# Altium PCB FMC_Breakout.PcbDoc (part 3 of 3)
Units mil, origin at the board's own origin, x right, y up, seen from the top; angles counter-clockwise.
Board outline 2749 x 2731 mil, 4 copper layers (Top Layer, GND, GND (Plane2), Bottom Layer), stack 18.11 mil thick; 9 components, 186 nets, 950 pads, 419 vias.
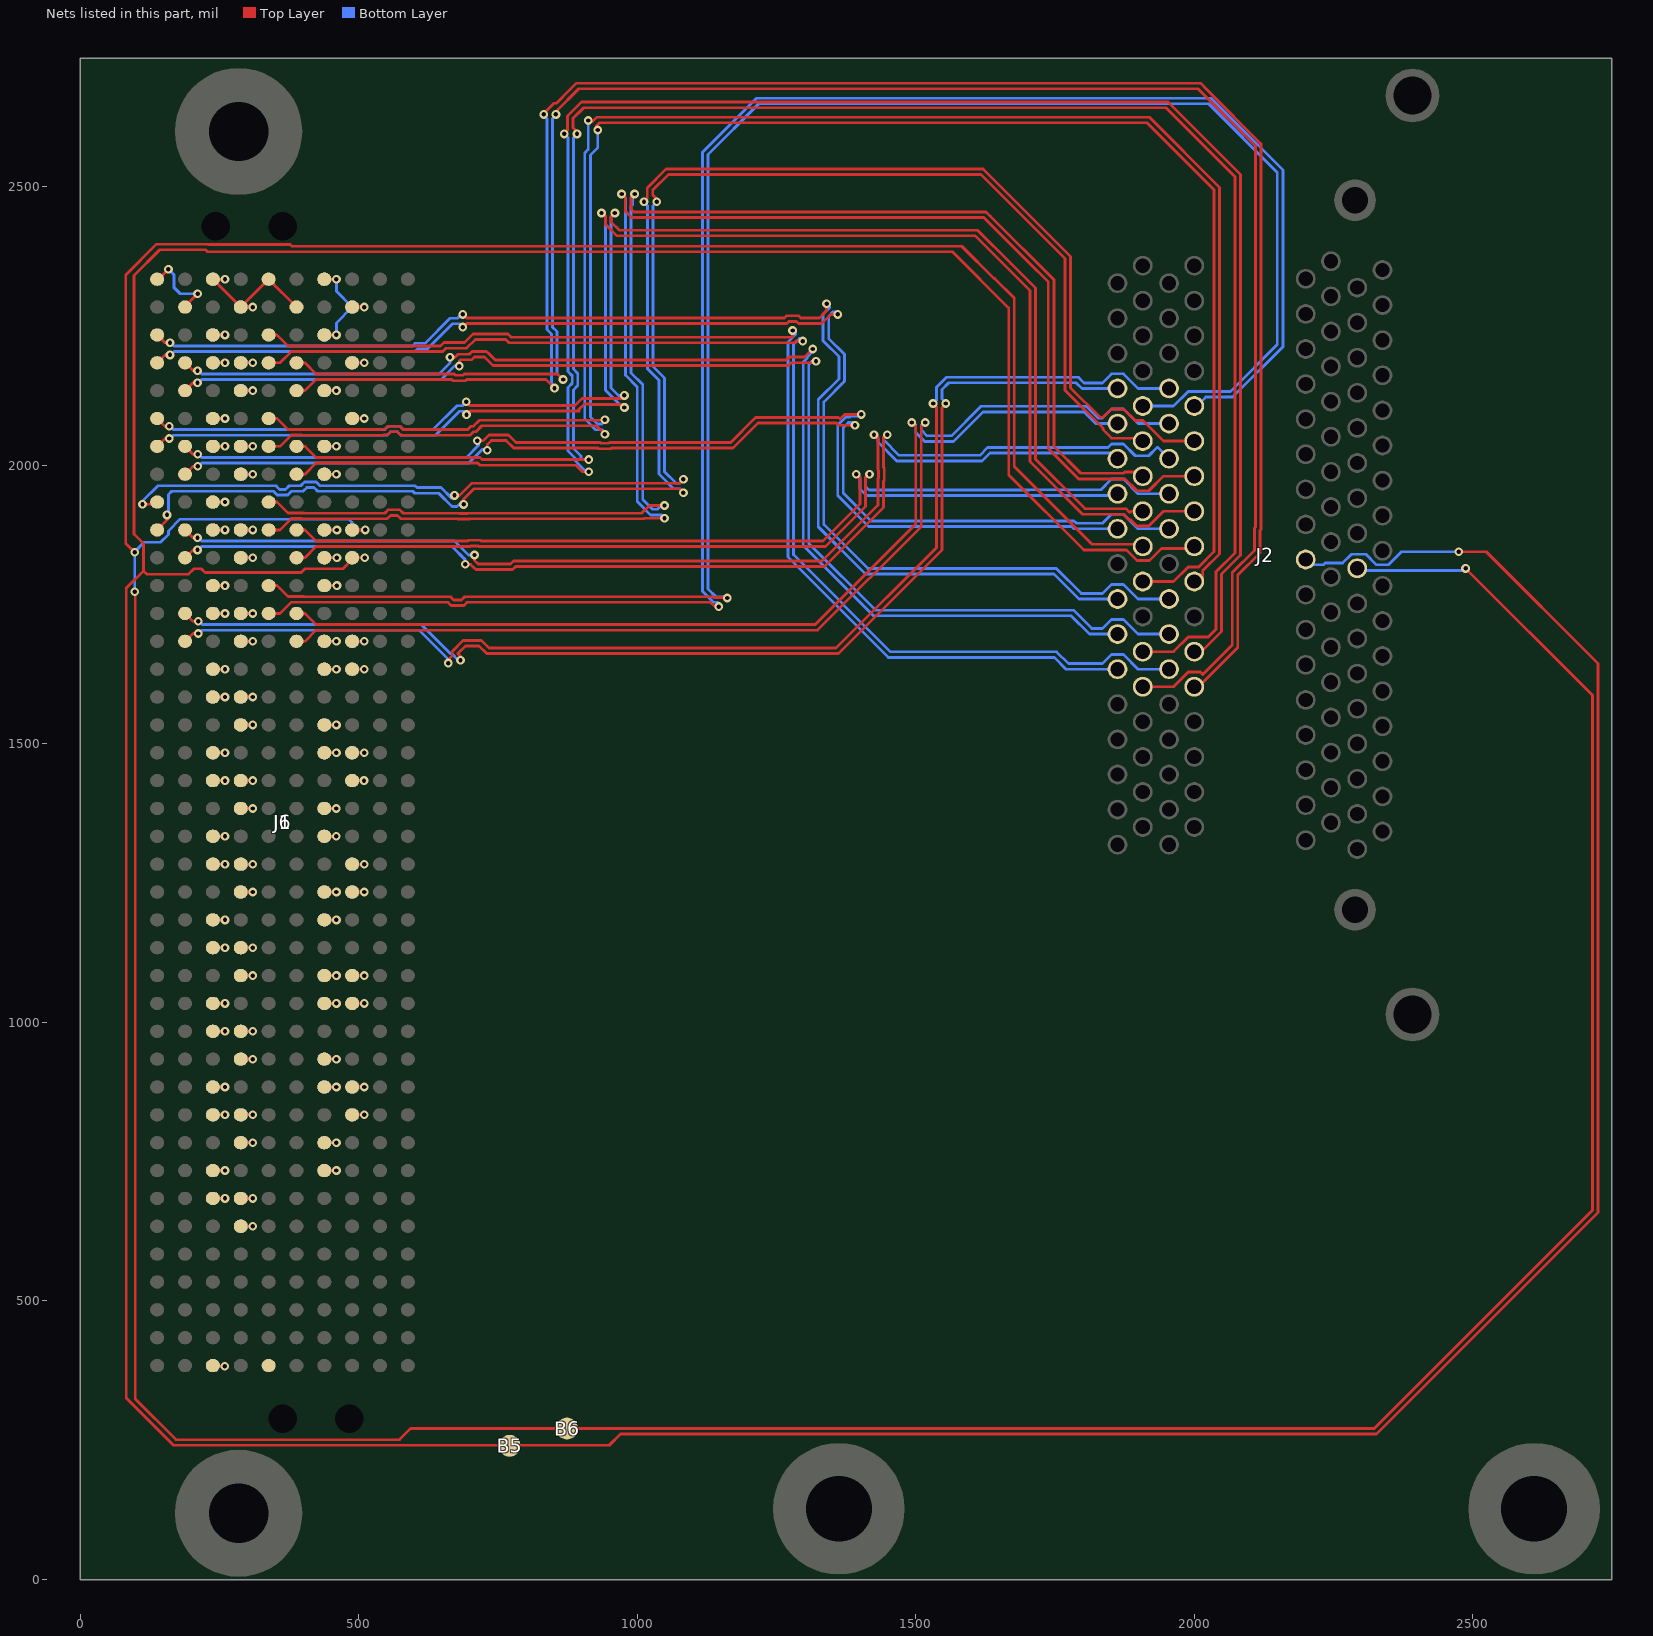
[diagram p5: the nets of this part, all layers, seen from the top]

## Via types
v1: diameter 15.75, hole 7.87, Top Layer to Bottom Layer, tented both sides, 419 vias

## Nets (pads, with @x,y where several pads share a name; then routed paths per layer and width w, separated by ;. In a path a pad name is that pad's centre, name@x,y a point inside that pad or via, vN(x,y) a via of type N, cw(c..) or ccw(c..) an arc to the next point about the centre after c; other vN are vias at no path point) (continued)
HB07_N: J2.U42 J6.j28 | length 2118.8
  Top Layer w5: J6.j28@188.38,1734.11 202.5,1719.98 v1(212,1719.98) ; v1(682.75,1650) 682.75,1657.22 677.96,1662 691.57,1675.61 716.25,1675.61 729.86,1662 1361,1662 1547,1848 1547,2103.72 1554,2110.72 v1(1554,2111)
  Bottom Layer w5: v1(212,1719.98) 213.41,1719.98 219.28,1714.11 612.37,1714.11 664.74,1661.74 667.42,1661.74 679.16,1650 v1(682.75,1650) ; v1(1554,2111) 1554,2112.28 1547,2119.28 1547,2136 1559.23,2148.23 1788,2148.23 1798.22,2138.02 J2.U42@1862.2,2138.02
HB07_P: J2.U8 J6.j27 | length 2230.3
  Top Layer w5: J6.j27@188.38,1684.11 202.5,1698.23 v1(212,1698.23) ; v1(661,1645) 661,1651.41 668.1,1658.51 ; 667.96,1658.65 667.96,1666.14 687.43,1685.61 720.39,1685.61 734,1672 1356.86,1672 1537,1852.14 1537,2105.13 v1(1531.13,2111)
  Bottom Layer w5: v1(212,1698.23) 213.41,1698.23 219.28,1704.11 608.22,1704.11 661,1651.33 v1(661,1645) ; v1(1531.13,2111) 1537,2116.87 1537,2140.14 1552.16,2155.31 1555.09,2158.23 1792.14,2158.23 1795.07,2155.31 1802.36,2148.02 1835.13,2148.02 1851.35,2164.23 1873.06,2164.23 1899.28,2138.02 J2.U8@1954.72,2138.02
HB08_N: J2.U43 J6.f29 | length 3365.5
  Top Layer w5: J6.f29@338.38,1784.11 353.48,1784.11 373.17,1764.42 401.72,1764.42 402.03,1764.11 664.74,1764.11 670.44,1758.4 684.73,1758.4 690.43,1764.11 1136.03,1764.11 1137.35,1762.79 1160.69,1762.79 v1(1161.69,1761.8)
  Bottom Layer w5: v1(1161.69,1761.8) 1156.2,1761.8 1153.89,1764.11 1141,1764.11 1127,1778.11 1127,2557.87 1218.13,2649 2026,2649 2149,2526 2149,2217 2064.74,2132.74 1989.14,2132.74 1962.92,2106.52 J2.U43@1907.48,2106.52
HB08_P: J2.U9 J6.f28 | length 3312.2
  Top Layer w5: J6.f28@338.38,1734.11 358.87,1734.11 379.18,1754.42 397.58,1754.42 397.89,1754.11 660.59,1754.11 666.3,1748.4 688.87,1748.4 694.58,1754.11 1131.89,1754.11 1139.58,1746.42 v1(1146.31,1746.42)
  Bottom Layer w5: v1(1146.31,1746.42) 1146.31,1751.91 1144.11,1754.11 1136.86,1754.11 1133.93,1757.04 1117,1773.97 1117,2562.01 1213.99,2659 2030.14,2659 2159,2530.14 2159,2212.86 2068.88,2122.74 2020.74,2122.74 2004.52,2106.52 J2.U9@2000,2106.52
HB09_N: J2.U44 J6.e28 | length 1801.5
  Top Layer w5: J6.e28@388.38,1734.11 403.48,1734.11 423.48,1714.11 1319.69,1714.11 1500,1894.42 1500,2070 v1(1493,2077)
  Bottom Layer w5: v1(1493,2077) 1495,2077 1500,2072 1500,2059.12 1516.12,2043 1568,2043 1621,2096 1802,2096 1822.98,2075.02 J2.U44@1862.2,2075.02
HB09_P: J2.U10 J6.e27 | length 1911.6
  Top Layer w5: J6.e27@388.38,1684.11 403.48,1684.11 423.48,1704.11 1323.83,1704.11 1510,1890.28 1510,2070 v1(1517,2077)
  Bottom Layer w5: v1(1517,2077) 1515,2077 1510,2072 1510,2063.26 1520.26,2053 1563.86,2053 1613.93,2103.07 1616.86,2106 1806.14,2106 1809.07,2103.07 1827.12,2085.02 1835.13,2085.02 1851.35,2101.24 1873.06,2101.24 1899.28,2075.02 J2.U10@1954.72,2075.02
HB10_N: J2.U45 J6.k32 | length 2841.7
  Top Layer w5: v1(112,1930) 134.27,1930 J6.k32@138.38,1934.11 ; v1(672,1946) 681.15,1946 703.15,1968 1076,1968 v1(1083,1975) ; v1(1035,2473) 1035,2478 1028,2485 1028,2494 1056.07,2522.07 1616.93,2522.07 1768,2371 1768,2134.86 1835.99,2066.87 1835.99,2064.16 1851.35,2048.81 1907.48,2048.81 J2.U45@1907.48,2043.53
  Bottom Layer w5: v1(112,1930) 112,1935.82 139.59,1963.42 351.31,1963.42 358.1,1956.63 368.66,1956.63 375.45,1963.42 396.1,1963.42 402.87,1970.18 423.89,1970.18 430.65,1963.42 601.31,1963.42 604.72,1960 648,1960 v1@667,1941 ; v1(1035,2473) 1028.56,2466.56 1028.56,2177.44 1049,2157 1049,1988.54 1069.54,1968 1077,1968 1083,1974 v1(1083,1975)
HB10_P: J2.U11 J6.k31 | length 2981.5
  Top Layer w5: J6.k31@138.38,1884.11 156,1901.73 v1(156,1911) ; v1(688.38,1929.93) 688.38,1939.08 707.3,1958 1076,1958 v1(1083,1951) ; v1(1012.13,2473) 1018,2478.87 1018,2498.14 1051.93,2532.07 1621.07,2532.07 1778,2375.14 1778,2139 1830.5,2086.5 1836.61,2086.5 1851.35,2101.24 1873.06,2101.24 1894,2080.3 1907.78,2080.3 1944.56,2043.53 J2.U11@2000,2043.53 J2.U11@2004,2043.53
  Bottom Layer w5: v1(156,1911) 158.48,1913.48 158.48,1947.48 164.42,1953.42 347.17,1953.42 353.96,1946.63 372.8,1946.63 379.59,1953.42 400.25,1953.42 407.01,1960.18 419.75,1960.18 426.51,1953.42 597.17,1953.42 600.58,1950 643.86,1950 667.86,1926 676.14,1926 680.07,1929.93 v1(688.38,1929.93) ; v1(1012.13,2473) 1018.56,2466.56 1018.56,2173.29 1039,2152.86 1039,1984.39 1065.39,1958 1077,1958 1083,1952 v1(1083,1951)
HB11_N: J2.U46 J6.j31 | length 1920.5
  Top Layer w5: J6.j31@188.38,1884.11 202.5,1869.98 v1(210.63,1869.98) ; v1(708,1839) 708,1829.35 714.57,1822.79 772.18,1822.79 775,1825.61 777.93,1828.54 1332.05,1828.54 1432,1928.49 1432,1975.84 1433.37,1977.22 1433.37,1990.78 1432,1992.16 1432,2050.42 1427.42,2055 v1(1425,2055)
  Bottom Layer w5: v1(210.63,1869.98) 212.04,1869.98 217.91,1864.11 671.9,1864.11 697.01,1839 v1(708,1839) ; v1(1425,2055) 1432,2048 1432,2041.98 1465.98,2008 1619.14,2008 1633.14,2022 1852.24,2022 J2.U46@1862.2,2012.03
HB11_P: J2.U12 J6.j30 | length 2033.8
  Top Layer w5: J6.j30@188.38,1834.11 202.5,1848.23 v1(210.63,1848.23) ; v1(691.28,1822.28) 700.93,1822.28 707.5,1815.71 710.43,1812.79 776.32,1812.79 779.25,1815.71 782.07,1818.54 1336.19,1818.54 1442,1924.35 1442,1971.7 1443.37,1973.08 1443.37,1994.92 1442,1996.3 1442,2050.42 1446.58,2055 v1(1449,2055)
  Bottom Layer w5: v1(210.63,1848.23) 212.04,1848.23 217.91,1854.11 667.76,1854.11 691.28,1830.59 v1(691.28,1822.28) ; v1(1449,2055) 1442,2048 1442,2046.13 1470.13,2018 1615,2018 1629,2032 1845.1,2032 1851.35,2038.25 1873.06,2038.25 1894,2017.31 1918.34,2017.31 1933.03,2032 1934.76,2032 J2.U12@1954.72,2012.03
HB12_N: J2.U47 J6.f32 | length 2662.9
  Top Layer w5: J6.f32@338.38,1934.11 353.48,1934.11 373.17,1914.42 401.72,1914.42 402.03,1914.11 546.8,1914.11 552.87,1920.18 573.89,1920.18 579.96,1914.11 681.04,1914.11 681.59,1913.55 695.16,1913.55 695.71,1914.11 1008,1914.11 1021.89,1928 v1(1049,1928) ; v1(995.37,2487) 988.69,2480.32 988.69,2460.31 994,2455 1626.14,2455 1634.14,2447 1748,2333.14 1748,2034 1796.19,1985.82 1873.06,1985.82 1875.25,1988 1900.02,1988 J2.U47@1907.48,1980.54
  Bottom Layer w5: v1(995.37,2487) 991.93,2483.56 991.93,2468.59 989,2465.66 989,2166 1010,2145 1010,1939 1028,1921 1036,1921 1043,1928 v1(1049,1928)
HB12_P: J2.U13 J6.f31 | length 2799
  Top Layer w5: J6.f31@338.38,1884.11 358.87,1884.11 379.18,1904.42 397.58,1904.42 397.89,1904.11 550.94,1904.11 557.01,1910.18 569.75,1910.18 575.82,1904.11 676.9,1904.11 677.45,1903.55 699.3,1903.55 699.86,1904.11 1003.86,1904.11 1012.14,1904.11 1013.16,1905.13 v1(1049,1905.13) ; v1(972,2487) 978.69,2480.31 978.69,2456.17 989.86,2445 1622,2445 1700.65,2366.35 1738,2329 1738,2029.86 1792.6,1975.26 1875.68,1975.26 1896.62,1954.32 1918.34,1954.32 1944.56,1980.54 J2.U13@2000,1980.54
  Bottom Layer w5: v1(972,2487) 979,2480 979,2161.86 1000,2140.86 1000,1934.86 1023.86,1911 1043.13,1911 v1(1049,1905.13)
HB13_N: J2.U48 J6.e31 | length 1603.6
  Top Layer w5: J6.e31@388.38,1884.11 403.48,1884.11 423.48,1864.11 695.81,1864.11 697.08,1865.37 718.92,1865.37 720.19,1864.11 1333.69,1864.11 1400,1930.42 1400,1979 1395,1984 v1(1393,1984)
  Bottom Layer w5: v1(1393,1984) 1400,1977 1400,1957.77 1411.84,1945.93 1859.09,1945.93 J2.U48@1862.2,1949.04
HB13_P: J2.U14 J6.e30 | length 1713.6
  Top Layer w5: J6.e30@388.38,1834.11 403.48,1834.11 423.48,1854.11 699.95,1854.11 701.22,1855.37 714.78,1855.37 716.05,1854.11 1337.83,1854.11 1410,1926.28 1410,1979 1415,1984 v1(1417,1984)
  Bottom Layer w5: v1(1417,1984) 1410,1977 1410,1961.91 1415.98,1955.93 1703.9,1955.93 ; 1703.9,1956.11 1832.2,1956.11 1851.35,1975.26 1873.06,1975.26 1899.28,1949.04 J2.U14@1954.72,1949.04
HB14_N: J2.U49 J6.k35 | length 2602
  Top Layer w5: J6.k35@138.38,2084.11 152.5,2069.98 v1(160,2069.98) ; v1(693,2114) 699.44,2107.56 888.42,2107.56 901.09,2120.24 976.36,2120.24 977,2120.88 v1(977,2125.61) ; v1(960,2453) 959,2453 953,2447 953,2437 968,2422 1611.14,2422 1671.14,2362 1715,2318.14 1715,2011 1803.74,1922.26 1877.21,1922.26 1883.1,1916.37 1886,1916.37 1887.18,1917.54 J2.U49@1907.48,1917.54
  Bottom Layer w5: v1(160,2069.98) 161.41,2069.98 167.28,2064.11 546.8,2064.11 552.87,2070.18 573.89,2070.18 579.96,2064.11 633.61,2064.11 676.5,2107 686,2107 v1(693,2114) ; v1(960,2453) 953,2446 953,2139 966.39,2125.61 v1(977,2125.61)
HB14_P: J2.U15 J6.k34 | length 2746.4
  Top Layer w5: J6.k34@138.38,2034.11 152.5,2048.23 v1(160,2048.23) ; 699.93,2097.56 892.56,2097.56 ; 895,2100 892.56,2097.56 ; 896,2097.56 892.56,2097.56 ; 896,2101 905.24,2110.24 917,2110.24 918,2109.24 v1@979.5,2109.24 ; v1(936,2453) 937,2453 943,2447 943,2432.86 963.86,2412 1607,2412 1673.65,2345.35 1705,2314 1705,2006.86 1799.59,1912.26 1873.06,1912.26 1883.24,1902.09 1885.86,1902.09 1896.62,1891.33 1918.34,1891.33 1944.56,1917.54 J2.U15@2000,1917.54 ; v1(977,2103.86) 977,2106.74 v1@979.5,2109.24 ; v1@980,2109.24 v1@979.5,2109.24
  Bottom Layer w5: v1(160,2048.23) 161.41,2048.23 167.28,2054.11 550.94,2054.11 557.01,2060.18 569.75,2060.18 575.82,2054.11 637.75,2054.11 680.64,2097 687.62,2097 v1(693.5,2091.13) ; v1(936,2453) 943,2446 943,2134.86 974,2103.86 v1(977,2103.86)
HB15_N: J2.U50 J6.j34 | length 1980.8
  Top Layer w5: J6.j34@188.38,2034.11 202.5,2019.98 v1(211,2019.98) ; v1(713,2044) 723.43,2044 731.1,2051.67 734.02,2054.6 768.96,2054.6 771.89,2051.67 782.56,2041 933.84,2041 935.22,2039.63 948.78,2039.63 950.16,2041 1167.86,2041 1209.93,2083.07 1212.86,2086 1361.36,2086 1364.29,2083.07 1372.6,2091.38 v1(1402.38,2091.38)
  Bottom Layer w5: v1(211,2019.98) 212.41,2019.98 218.28,2014.11 693.5,2014.11 715.39,2036 715.39,2041.61 v1(713,2044) ; v1(1402.38,2091.38) 1399.37,2088.37 1383.37,2088.37 1382,2087 1374.86,2087 1360,2072.14 1360,1945.78 1415.51,1890.28 1780,1890.28 1784.23,1886.05 J2.U50@1862.2,1886.05
HB15_P: J2.U16 J6.j33 | length 2031.9
  Top Layer w5: J6.j33@188.38,1984.11 202.5,1998.23 v1(211,1998.23) ; v1(731,2027) 731,2037.43 738.17,2044.6 764.82,2044.6 778.42,2031 929.7,2031 931.08,2029.63 952.92,2029.63 954.3,2031 1172,2031 1217,2076 1357.22,2076 1361.22,2072 v1(1391,2072)
  Bottom Layer w5: v1(211,1998.23) 212.41,1998.23 218.28,2004.11 697.64,2004.11 722.46,2028.93 729.07,2028.93 v1(731,2027) ; v1(1391,2072) 1386,2077 1379,2077 1370,2068 1370,1949.92 1419.65,1900.28 1784.14,1900.28 1787.07,1897.35 1788.37,1896.05 1835.13,1896.05 1851.35,1912.26 1873.06,1912.26 1899.28,1886.05 J2.U16@1954.72,1886.05
HB16_N: J2.U53 J6.f35 | length 3149.8
  Top Layer w5: J6.f35@338.38,2084.11 353.48,2084.11 373.17,2064.42 401.72,2064.42 402.03,2064.11 540.09,2064.11 540.78,2064.8 547.16,2064.8 547.49,2064.81 552.87,2070.18 573.89,2070.18 579.96,2064.11 695.81,2064.11 702.08,2070.37 706.22,2070.37 716.84,2081 941,2081 v1(942,2082) ; v1(929,2602) 927,2604 927,2610 932,2615 1915,2615 2035.24,2494.76 2035.24,1845.01 2008,1817.78 1989.14,1817.78 1962.92,1791.56 J2.U53@1907.48,1791.56
  Bottom Layer w5: v1(929,2602) 929,2570 916,2557 916,2087 929,2074 937,2074 942,2079 v1(942,2082)
HB16_P: J2.U19 J6.f34 | length 3137.6
  Top Layer w5: J6.f34@338.38,2034.11 358.87,2034.11 379.18,2054.42 397.58,2054.42 397.89,2054.11 544.24,2054.11 544.92,2054.8 551.31,2054.8 551.64,2054.81 557.01,2060.18 569.75,2060.18 575.82,2054.11 699.95,2054.11 706.22,2060.37 710.36,2060.37 720.99,2071 927,2071 v1(942,2056) ; v1(912,2619) 913.93,2617.07 919.93,2617.07 927.86,2625 1919.14,2625 2045.24,2498.9 2045.24,1840.87 2015.07,1810.7 2015.07,1799.7 2006.93,1791.56 J2.U19@2000,1791.56
  Bottom Layer w5: v1(912,2619) 912,2567.14 906,2561.14 906,2082.86 924.86,2064 937,2064 942,2059 v1(942,2056)
HB17_CC_N: J2.U54 J6.k38 | length 2282
  Top Layer w5: J6.k38@138.38,2234.11 152.5,2219.98 v1(161.41,2219.98) ; v1(687,2271) 693.44,2264.56 1264.26,2264.56 1268.08,2268.37 1289.92,2268.37 1293.74,2264.56 1326.99,2264.56 1340,2277.57 v1(1340,2290)
  Bottom Layer w5: v1(161.41,2219.98) 162.82,2219.98 168.69,2214.11 596.48,2214.11 601.37,2219 618.89,2219 663.89,2264 677.11,2264 684.11,2271 v1(687,2271) ; v1(1340,2290) 1344.93,2285.07 1344.93,2282.74 1336.59,2274.41 1333.66,2271.48 1333.66,2223.64 1336.59,2220.72 1362,2195.31 1362,2155.2 1325,2118.2 1325,1889.86 1409.86,1805 1748.16,1805 1793.1,1760.06 J2.U54@1862.2,1760.06
HB17_CC_P: J2.U20 J6.k37 | length 2375.3
  Top Layer w5: J6.k37@138.38,2184.11 152.5,2198.23 v1(161.41,2198.23) ; v1(687,2248.13) 693.44,2254.56 1074,2254.56 ; 1075.14,2254.56 1268.41,2254.56 1272.22,2258.37 1285.78,2258.37 1289.59,2254.56 1331.13,2254.56 1347.57,2271 v1(1360,2271)
  Bottom Layer w5: v1(161.41,2198.23) 162.82,2198.23 168.69,2204.11 600.62,2204.11 605.52,2209 623.03,2209 668.03,2254 681.13,2254 v1(687,2248.13) ; v1(1360,2271) 1355.33,2275.67 1352,2275.67 1343.66,2267.34 1343.66,2227.79 1372,2199.45 1372,2151.06 1335,2114.06 1335,1894 1414,1815 1752.3,1815 1797.24,1770.06 1835.13,1770.06 1851.35,1786.28 1873.06,1786.28 1899.28,1760.06 J2.U20@1954.72,1760.06
HB18_N: J2.U56 J6.j37 | length 2162
  Top Layer w5: J6.j37@188.38,2184.11 202.5,2169.98 v1(210.63,2169.98) ; v1(664,2194) 673.15,2194 678.53,2199.37 698.47,2199.37 703.54,2204.45 729.69,2204.45 732.62,2201.52 745.14,2189 1114.86,2189 1115.14,2189.29 1267.41,2189.29 1270.34,2192.21 1272.4,2194.28 1300.53,2194.28 v1(1315,2208.75)
  Bottom Layer w5: v1(210.63,2169.98) 212.04,2169.98 217.91,2164.11 644.11,2164.11 664,2184 v1(664,2194) ; v1(1315,2208.75) 1315,2204.16 1304.63,2193.78 1304.63,2191.93 1298,2185.31 1298,1855.86 1423.86,1730 1779,1730 1811.93,1697.07 J2.U56@1862.2,1697.07
HB18_P: J2.U22 J6.j36 | length 2236.9
  Top Layer w5: J6.j36@188.38,2134.11 202.5,2148.23 v1(210.63,2148.23) ; v1(680.67,2178.22) 680.67,2187.38 682.67,2189.37 702.61,2189.37 707.68,2194.45 725.55,2194.45 741,2179 1119,2179 1119.29,2179.29 1271.55,2179.29 1274.48,2182.21 1276.55,2184.28 1318.28,2184.28 v1(1321,2187)
  Bottom Layer w5: v1(210.63,2148.23) 212.04,2148.23 217.91,2154.11 648.25,2154.11 672.37,2178.22 v1(680.67,2178.22) ; v1(1321,2187) 1313.84,2187 1308,2181.16 1308,1860 1428,1740 1783.14,1740 1816.07,1707.07 1835.13,1707.07 1851.35,1723.29 1873.06,1723.29 1899.28,1697.07 J2.U22@1954.72,1697.07
HB19_N: J2.U57 J6.e34 | length 3399.5
  Top Layer w5: J6.e34@388.38,2034.11 403.48,2034.11 423.48,2014.11 717.85,2014.11 721.69,2010.26 v1(913,2010.26) ; v1(892,2595) 892,2599 885,2606 885,2623 904,2642 1949,2642 2073,2518 2073,1842.94 2039,1808.94 2039,1705.79 2025,1691.79 1989.14,1691.79 1962.92,1665.57 J2.U57@1907.48,1665.57
  Bottom Layer w5: v1(892,2595) 885.56,2588.56 885.56,2172.84 893.37,2165.03 893.37,2143.18 885.56,2135.37 885.56,2030 899,2016.56 899,2012 900.74,2010.26 v1(913,2010.26)
HB19_P: J2.U23 J6.e33 | length 3375.4
  Top Layer w5: J6.e33@388.38,1984.11 403.48,1984.11 423.48,2004.11 713.7,2004.11 717.55,2000.26 889.99,2000.26 901.74,1988.51 v1(913,1988.51) ; v1(869.13,2595) 875,2600.87 875,2627.14 899.86,2652 1953.14,2652 2083,2522.14 2083,1838.8 2049,1804.8 2049,1701.65 2012.93,1665.57 J2.U23@2003,1665.57
  Bottom Layer w5: v1(869.13,2595) 875.56,2588.56 875.56,2168.7 883.37,2160.89 883.37,2147.33 875.56,2139.52 875.56,2025.86 889,2012.42 889,2007.86 908.34,1988.51 v1(913,1988.51)
HB20_N: J2.U58 J6.f38 | length 2061.3
  Top Layer w5: J6.f38@338.38,2234.11 353.48,2234.11 373.17,2214.42 401.72,2214.42 402.03,2214.11 646.81,2214.11 653.08,2220.37 689.77,2220.37 702.35,2232.95 705.28,2235.88 768.08,2235.88 771.01,2232.95 773.96,2230 1278.43,2230 1279,2230.57 v1(1279,2242)
  Bottom Layer w5: v1(1279,2242) 1283.93,2237.07 1283.93,2234.86 1270.44,2221.37 1270.44,1835.56 1450.8,1655.2 1748.8,1655.2 1769.92,1634.08 J2.U58@1862.2,1634.08
HB20_P: J2.U24 J6.f37 | length 2153.2
  Top Layer w5: J6.f37@338.38,2184.11 358.87,2184.11 379.18,2204.42 397.58,2204.42 397.89,2204.11 650.95,2204.11 657.22,2210.37 693.91,2210.37 709.42,2225.88 763.94,2225.88 769.82,2220 1282.57,2220 1285.5,2222.93 1285.57,2223 v1(1297,2223)
  Bottom Layer w5: v1(1297,2223) 1292.21,2227.79 1291,2227.79 1280.44,2217.23 1280.44,1839.7 1454.94,1665.2 1752.94,1665.2 1774.06,1644.08 1835.13,1644.08 1851.35,1660.3 1873.06,1660.3 1899.28,1634.08 J2.U24@1954.72,1634.08
HB21_N: J2.U59 J6.e37 | length 3408
  Top Layer w5: J6.e37@388.38,2184.11 403.48,2184.11 423.48,2164.11 671.63,2164.11 673.89,2161.85 687.46,2161.85 689.71,2164.11 857,2164.11 v1(867,2154.11) ; v1(854,2630) 854,2635 895,2676 2007,2676 2110,2573 2110,1889.2 2108,1887.2 2108,1847.14 2068,1807.14 2068,1677.14 2015.26,1624.4 2010.86,1628.8 1989.14,1628.8 1962.92,1602.58 J2.U59@1907.48,1602.58
  Bottom Layer w5: v1(854,2630) 854,2628.59 848.13,2622.72 848.13,2247.87 856,2240 856,2165.11 v1(867,2154.11)
HB21_P: J2.U25 J6.e36 | length 3364.6
  Top Layer w5: J6.e36@388.38,2134.11 403.48,2134.11 423.48,2154.11 667.49,2154.11 669.75,2151.85 691.6,2151.85 693.86,2154.11 836.24,2154.11 v1(851.62,2138.73) ; v1(832.25,2630) 832.25,2631.41 850.91,2650.07 854.93,2650.07 878.66,2673.8 890.86,2686 2011.14,2686 2023.34,2673.8 2120,2577.14 2120,1885.06 2118,1883.06 2118,1843 2078,1803 2078,1673 2007.58,1602.58 J2.U25@2000,1602.58
  Bottom Layer w5: v1(832.25,2630) 832.25,2628.59 838.13,2622.72 838.13,2243.73 846,2235.86 846,2144.35 v1(851.62,2138.73)
LA00_CC_N: J1.g7 J6.g7 | length 42.1
  Top Layer w5: J6.g7@288.38,684.11 v1@308.89,684.1
  Bottom Layer w5: J1.g7@288.38,684.1 v1(310,684.1)
LA00_CC_P: J1.g6 J6.g6 | length 42.1
  Top Layer w5: J6.g6@288.38,634.11 v1@308.89,634.11
  Bottom Layer w5: J1.g6@288.38,634.1 v1(310,634.11)
LA01_CC_N: J1.d9 J6.d9 | length 42.1
  Top Layer w5: J6.d9@438.38,784.11 v1@458.89,784.11
  Bottom Layer w5: J1.d9@438.38,784.1 v1(460,784.11)
LA01_CC_P: J1.d8 J6.d8 | length 42.1
  Top Layer w5: J6.d8@438.38,734.11 v1@458.89,734.11
  Bottom Layer w5: J1.d8@438.38,734.1 v1(460,734.11)
LA02_N: J1.h8 J6.h8 | length 42.1
  Top Layer w5: J6.h8@238.38,734.11 v1@258.89,734.11
  Bottom Layer w5: J1.h8@238.38,734.1 v1(260,734.11)
LA02_P: J1.h7 J6.h7 | length 42.1
  Top Layer w5: J6.h7@238.38,684.11 v1@258.89,684.11
  Bottom Layer w5: J1.h7@238.38,684.1 v1(260,684.11)
LA03_N: J1.g10 J6.g10 | length 42.1
  Top Layer w5: J6.g10@288.38,834.11 v1@308.89,834.11
  Bottom Layer w5: J1.g10@288.38,834.1 v1(310,834.11)
LA03_P: J1.g9 J6.g9 | length 42.1
  Top Layer w5: J6.g9@288.38,784.11 v1@308.89,784.11
  Bottom Layer w5: J1.g9@288.38,784.1 v1(310,784.11)
LA04_N: J1.h11 J6.h11 | length 42.1
  Top Layer w5: J6.h11@238.38,884.11 v1@258.89,884.11
  Bottom Layer w5: J1.h11@238.38,884.1 v1(260,884.11)
LA04_P: J1.h10 J6.h10 | length 42.1
  Top Layer w5: J6.h10@238.38,834.11 v1@258.89,834.11
  Bottom Layer w5: J1.h10@238.38,834.1 v1(260,834.11)
LA05_N: J1.d12 J6.d12 | length 42.1
  Top Layer w5: J6.d12@438.38,934.11 v1@458.89,934.11
  Bottom Layer w5: J1.d12@438.38,934.1 v1(460,934.11)
LA05_P: J1.d11 J6.d11 | length 42.1
  Top Layer w5: J6.d11@438.38,884.11 v1@458.89,884.11
  Bottom Layer w5: J1.d11@438.38,884.1 v1(460,884.11)
LA06_N: J1.c11 J6.c11 | length 42.1
  Top Layer w5: J6.c11@488.38,884.11 v1@508.89,884.11
  Bottom Layer w5: J1.c11@488.38,884.1 v1(510,884.11)
LA06_P: J1.c10 J6.c10 | length 42.1
  Top Layer w5: J6.c10@488.38,834.11 v1@508.89,834.11
  Bottom Layer w5: J1.c10@488.38,834.1 v1(510,834.11)
LA07_N: J1.h14 J6.h14 | length 42.1
  Top Layer w5: J6.h14@238.38,1034.11 v1@258.89,1034.11
  Bottom Layer w5: J1.h14@238.38,1034.1 v1(260,1034.11)
LA07_P: J1.h13 J6.h13 | length 42.1
  Top Layer w5: J6.h13@238.38,984.11 v1@258.89,984.11
  Bottom Layer w5: J1.h13@238.38,984.1 v1(260,984.11)
LA08_N: J1.g13 J6.g13 | length 42.1
  Top Layer w5: J6.g13@288.38,984.11 v1@308.89,984.11
  Bottom Layer w5: J1.g13@288.38,984.1 v1(310,984.11)
LA08_P: J1.g12 J6.g12 | length 42.1
  Top Layer w5: J6.g12@288.38,934.11 v1@308.89,934.11
  Bottom Layer w5: J1.g12@288.38,934.1 v1(310,934.11)
LA09_N: J1.d15 J6.d15 | length 42.1
  Top Layer w5: J6.d15@438.38,1084.11 v1@458.89,1084.11
  Bottom Layer w5: J1.d15@438.38,1084.1 v1(460,1084.11)
LA09_P: J1.d14 J6.d14 | length 42.1
  Top Layer w5: J6.d14@438.38,1034.11 v1@458.89,1034.11
  Bottom Layer w5: J1.d14@438.38,1034.1 v1(460,1034.11)
LA10_N: J1.c15 J6.c15 | length 42.1
  Top Layer w5: J6.c15@488.38,1084.11 v1@508.89,1084.11
  Bottom Layer w5: J1.c15@488.38,1084.1 v1(510,1084.11)
LA10_P: J1.c14 J6.c14 | length 42.1
  Top Layer w5: J6.c14@488.38,1034.11 v1@508.89,1034.11
  Bottom Layer w5: J1.c14@488.38,1034.1 v1(510,1034.11)
LA11_N: J1.h17 J6.h17 | length 42.1
  Top Layer w5: J6.h17@238.38,1184.11 v1@258.89,1184.11
  Bottom Layer w5: J1.h17@238.38,1184.1 v1(260,1184.11)
LA11_P: J1.h16 J6.h16 | length 42.1
  Top Layer w5: J6.h16@238.38,1134.11 v1@258.89,1134.11
  Bottom Layer w5: J1.h16@238.38,1134.1 v1(260,1134.11)
LA12_N: J1.g16 J6.g16 | length 42.1
  Top Layer w5: J6.g16@288.38,1134.11 v1@308.89,1134.11
  Bottom Layer w5: J1.g16@288.38,1134.1 v1(310,1134.11)
LA12_P: J1.g15 J6.g15 | length 42.1
  Top Layer w5: J6.g15@288.38,1084.11 v1@308.89,1084.11
  Bottom Layer w5: J1.g15@288.38,1084.1 v1(310,1084.11)
LA13_N: J1.d18 J6.d18 | length 42.1
  Top Layer w5: J6.d18@438.38,1234.11 v1@458.89,1234.11
  Bottom Layer w5: J1.d18@438.38,1234.1 v1(460,1234.11)
LA13_P: J1.d17 J6.d17 | length 42.1
  Top Layer w5: J6.d17@438.38,1184.11 v1@458.89,1184.11
  Bottom Layer w5: J1.d17@438.38,1184.1 v1(460,1184.11)
LA14_N: J1.c19 J6.c19 | length 42.1
  Top Layer w5: J6.c19@488.38,1284.11 v1@508.89,1284.11
  Bottom Layer w5: J1.c19@488.38,1284.1 v1(510,1284.11)
LA14_P: J1.c18 J6.c18 | length 42.1
  Top Layer w5: J6.c18@488.38,1234.11 v1@508.89,1234.11
  Bottom Layer w5: J1.c18@488.38,1234.1 v1(510,1234.11)
LA15_N: J1.h20 J6.h20 | length 42.1
  Top Layer w5: J6.h20@238.38,1334.11 v1@258.89,1334.11
  Bottom Layer w5: J1.h20@238.38,1334.1 v1(260,1334.11)
LA15_P: J1.h19 J6.h19 | length 42.1
  Top Layer w5: J6.h19@238.38,1284.11 v1@258.89,1284.11
  Bottom Layer w5: J1.h19@238.38,1284.1 v1(260,1284.11)
LA16_N: J1.g19 J6.g19 | length 42.1
  Top Layer w5: J6.g19@288.38,1284.11 v1@308.89,1284.11
  Bottom Layer w5: J1.g19@288.38,1284.1 v1(310,1284.11)
LA16_P: J1.g18 J6.g18 | length 42.1
  Top Layer w5: J6.g18@288.38,1234.11 v1@308.89,1234.11
  Bottom Layer w5: J1.g18@288.38,1234.1 v1(310,1234.11)
LA17_CC_N: J1.d21 J6.d21 | length 42.1
  Top Layer w5: J6.d21@438,1384.11 v1@458.51,1384.11
  Bottom Layer w5: J1.d21@438,1384.11 v1(459.62,1384.11)
LA17_CC_P: J1.d20 J6.d20 | length 42.1
  Top Layer w5: J6.d20@438,1334.11 v1@458.51,1334.11
  Bottom Layer w5: J1.d20@438,1334.11 v1(459.62,1334.11)
LA18_CC_N: J1.c23 J6.c23 | length 42.1
  Top Layer w5: J6.c23@488.38,1484.11 v1@508.89,1484.11
  Bottom Layer w5: J1.c23@488.38,1484.1 v1(510,1484.11)
LA18_CC_P: J1.c22 J6.c22 | length 42.1
  Top Layer w5: J6.c22@488,1434.11 v1@508.51,1434.11
  Bottom Layer w5: J1.c22@488,1434.11 v1(509.62,1434.11)
LA19_N: J1.h23 J6.h23 | length 42.1
  Top Layer w5: J6.h23@238.38,1484.11 v1@258.89,1484.11
  Bottom Layer w5: J1.h23@238.38,1484.1 v1(260,1484.11)
LA19_P: J1.h22 J6.h22 | length 42.1
  Top Layer w5: J6.h22@238.38,1434.11 v1@258.89,1434.11
  Bottom Layer w5: J1.h22@238.38,1434.1 v1(260,1434.11)
LA20_N: J1.g22 J6.g22 | length 42.1
  Top Layer w5: J6.g22@288.38,1434.11 v1@308.89,1434.11
  Bottom Layer w5: J1.g22@288.38,1434.1 v1(310,1434.11)
LA20_P: J1.g21 J6.g21 | length 42.1
  Top Layer w5: J6.g21@288.38,1384.11 v1@308.89,1384.11
  Bottom Layer w5: J1.g21@288.38,1384.1 v1(310,1384.11)
LA21_N: J1.h26 J6.h26 | length 42.1
  Top Layer w5: J6.h26@238.38,1634.11 v1@258.89,1634.11
  Bottom Layer w5: J1.h26@238.38,1634.1 v1(260,1634.11)
LA21_P: J1.h25 J6.h25 | length 42.1
  Top Layer w5: J6.h25@238.38,1584.11 v1@258.89,1584.11
  Bottom Layer w5: J1.h25@238.38,1584.1 v1(260,1584.11)
LA22_N: J1.g25 J6.g25 | length 42.1
  Top Layer w5: J6.g25@288.38,1584.11 v1@308.89,1584.11
  Bottom Layer w5: J1.g25@288.38,1584.1 v1(310,1584.11)
LA22_P: J1.g24 J6.g24 | length 42.1
  Top Layer w5: J6.g24@288.38,1534.11 v1@308.89,1534.11
  Bottom Layer w5: J1.g24@288.38,1534.1 v1(310,1534.11)
LA23_N: J1.d24 J6.d24 | length 42.1
  Top Layer w5: J6.d24@438.38,1534.11 v1@458.89,1534.11
  Bottom Layer w5: J1.d24@438.38,1534.1 v1(460,1534.11)
LA23_P: J1.d23 J6.d23 | length 42.1
  Top Layer w5: J6.d23@438.38,1484.11 v1@458.89,1484.11
  Bottom Layer w5: J1.d23@438.38,1484.1 v1(460,1484.11)
LA24_N: J1.h29 J6.h29 | length 42.1
  Top Layer w5: J6.h29@238.38,1784.11 v1@258.89,1784.11
  Bottom Layer w5: J1.h29@238.38,1784.1 v1(260,1784.11)
LA24_P: J1.h28 J6.h28 | length 42.1
  Top Layer w5: J6.h28@238.38,1734.11 v1@258.89,1734.11
  Bottom Layer w5: J1.h28@238.38,1734.1 v1(260,1734.11)
LA25_N: J1.g28 J6.g28 | length 42.1
  Top Layer w5: J6.g28@288.38,1734.11 v1@308.89,1734.11
  Bottom Layer w5: J1.g28@288.38,1734.1 v1(310,1734.11)
LA25_P: J1.g27 J6.g27 | length 42.1
  Top Layer w5: J6.g27@288.38,1684.11 v1@308.89,1684.11
  Bottom Layer w5: J1.g27@288.38,1684.1 v1(310,1684.11)
LA26_N: J1.d27 J6.d27 | length 42.1
  Top Layer w5: J6.d27@438.38,1684.11 v1@458.89,1684.11
  Bottom Layer w5: J1.d27@438.38,1684.1 v1(460,1684.11)
LA26_P: J1.d26 J6.d26 | length 42.1
  Top Layer w5: J6.d26@438.38,1634.11 v1@458.89,1634.11
  Bottom Layer w5: J1.d26@438.38,1634.1 v1(460,1634.11)
LA27_N: J1.c27 J6.c27 | length 42.1
  Top Layer w5: J6.c27@488.38,1684.11 v1@508.89,1684.11
  Bottom Layer w5: J1.c27@488.38,1684.1 v1(510,1684.11)
LA27_P: J1.c26 J6.c26 | length 42.1
  Top Layer w5: J6.c26@488.38,1634.11 v1@508.89,1634.11
  Bottom Layer w5: J1.c26@488.38,1634.1 v1(510,1634.11)
LA28_N: J1.h32 J6.h32 | length 42.1
  Top Layer w5: J6.h32@238.38,1934.11 v1@258.89,1934.11
  Bottom Layer w5: J1.h32@238.38,1934.1 v1(260,1934.11)
LA28_P: J1.h31 J6.h31 | length 42.1
  Top Layer w5: J6.h31@238.38,1884.11 v1@258.89,1884.11
  Bottom Layer w5: J1.h31@238.38,1884.1 v1(260,1884.11)
LA29_N: J1.g31 J6.g31 | length 42.1
  Top Layer w5: J6.g31@288.38,1884.11 v1@308.89,1884.11
  Bottom Layer w5: J1.g31@288.38,1884.1 v1(310,1884.11)
LA29_P: J1.g30 J6.g30 | length 42.1
  Top Layer w5: J6.g30@288.38,1834.11 v1@308.89,1834.11
  Bottom Layer w5: J1.g30@288.38,1834.1 v1(310,1834.11)
LA30_N: J1.h35 J6.h35 | length 42.1
  Top Layer w5: J6.h35@238.38,2084.11 v1@258.89,2084.11
  Bottom Layer w5: J1.h35@238.38,2084.1 v1(260,2084.11)
LA30_P: J1.h34 J6.h34 | length 42.1
  Top Layer w5: J6.h34@238.38,2034.11 v1@258.89,2034.11
  Bottom Layer w5: J1.h34@238.38,2034.1 v1(260,2034.11)
LA31_N: J1.g34 J6.g34 | length 42.1
  Top Layer w5: J6.g34@288.38,2034.11 v1@308.89,2034.11
  Bottom Layer w5: J1.g34@288.38,2034.1 v1(310,2034.11)
LA31_P: J1.g33 J6.g33 | length 42.1
  Top Layer w5: J6.g33@288.38,1984.11 v1@308.89,1984.11
  Bottom Layer w5: J1.g33@288.38,1984.1 v1(310,1984.11)
LA32_N: J1.h38 J6.h38 | length 42.1
  Top Layer w5: J6.h38@238.38,2234.11 v1@258.89,2234.11
  Bottom Layer w5: J1.h38@238.38,2234.1 v1(260,2234.11)
LA32_P: J1.h37 J6.h37 | length 42.1
  Top Layer w5: J6.h37@238.38,2184.11 v1@258.89,2184.11
  Bottom Layer w5: J1.h37@238.38,2184.1 v1(260,2184.11)
LA33_N: J1.g37 J6.g37 | length 42.1
  Top Layer w5: J6.g37@288.38,2184.11 v1@308.89,2184.11
  Bottom Layer w5: J1.g37@288.38,2184.1 v1(310,2184.11)
LA33_P: J1.g36 J6.g36 | length 42.1
  Top Layer w5: J6.g36@288.38,2134.11 v1@308.89,2134.11
  Bottom Layer w5: J1.g36@288.38,2134.1 v1(310,2134.11)
P3V3: J1.c39 J1.d36 J1.d38 J1.d40 J6.c39 J6.d36 J6.d38 J6.d40 | length 292
  Top Layer w5: J6.d36@438.38,2134.11 v1@458.89,2134.11 ; J6.d38@438.38,2234.11 v1@458.89,2234.11 ; J6.d40@438.38,2334.11 v1@458.89,2334.11 ; J6.c39@488.38,2284.11 v1@508.89,2284.11
  Bottom Layer w5: J1.d36@438.38,2134.1 v1(460,2134.11) ; J1.d38@438.38,2234.1 v1(460,2234.11) 460,2255.72 J1.c39@488.38,2284.1 ; J1.d40@438.38,2334.1 v1(460,2334.11) 460,2312.49 J1.c39@488.38,2284.1 ; v1(510,2284.11) J1.c39@488.38,2284.1
P12V0: J1.c35 J1.c37 J6.c35 J6.c37 | length 84.3
  Top Layer w5: J6.c35@488.38,2084.11 v1@508.89,2084.11 ; J6.c37@488.38,2184.11 v1@508.89,2184.11
  Bottom Layer w5: J1.c35@488.38,2084.1 v1(510,2084.11) ; J1.c37@488.38,2184.1 v1(510,2184.11)
PG_M2C: J6.f1
SCL: B5.1 J1.c30 J2.L17 J2.U17 J6.c30 | length 9289
  Top Layer w5: v1(511,1834.11) J6.c30@488.38,1834.11 488.38,1831.09 471.66,1814.37 403.63,1814.37 396.88,1807.63 224.12,1807.63 217.37,1814.37 204.63,1814.37 194.88,1804.63 119.51,1804.63 113.7,1810.44 ; J2.U17@2000,1854.55 1996.28,1850.83 1941.11,1850.83 1919.61,1829.33 1897.04,1829.33 1878.1,1848.27 1801.73,1848.27 1666.83,1983.17 1666.83,2282.66 1566.12,2383.37 228.67,2383.37 225.05,2387 143,2387 96.63,2340.63 96.63,1876.48 113.7,1859.41 113.7,1810.44 ; v1(2474.63,1845) 2524,1845 2724.75,1644.25 2724.75,658.61 2327.14,261 969.85,261 949.85,241 167.86,241 82.63,326.23 82.63,1779.37 113.7,1810.44
  Bottom Layer w5: J1.c30@488.38,1834.1 v1(511,1834.11) ; J2.L17@2200,1830.93 2209.47,1821.46 2231.64,1821.46 2234.83,1824.65 2266.33,1824.65 2282.07,1840.4 2308.41,1840.4 2327.35,1821.46 2348.24,1821.46 2371.78,1845 v1(2474.63,1845)
SDA: B6.1 J1.c31 J2.L51 J2.U51 J6.c31 | length 9029.4
  Top Layer w5: v1(98,1844) 82,1860 82,2342 137,2397 229.19,2397 229.7,2396.49 377.09,2396.49 380.2,2393.37 1582.63,2393.37 1640.65,2335.35 1641.65,2335.35 1676.83,2300.17 1676.83,1998.16 1816.71,1858.27 1903.76,1858.27 J2.U51@1907.48,1854.55 J2.U51@1913.76,1860.83 ; v1@99,1772.12 99,324 172,251 573.38,251 593.38,271 B6.1@874,271 2323,271 2714.75,662.75 2714.75,1587.25 v1(2487,1815) v1@2482.88,1815 ; J6.c31@488.38,1884.11 v1(512,1884.11)
  Bottom Layer w5: v1(98,1773) v1(98,1844) 98,1845 115,1862 144.37,1862 158.48,1876.11 158.48,1882.3 179.59,1903.42 482.33,1903.42 488.38,1897.37 J1.c31@488.38,1884.1 v1(512,1884.11) ; J2.L51@2292.52,1815.18 2296.24,1811.46 2483.46,1811.46 v1(2487,1815)
TCK: J1.d29 J6.d29 | length 45.2
  Top Layer w5: J6.d29@438.38,1784.11 v1(461,1784.1)
  Bottom Layer w5: J1.d29@438.38,1784.1 v1(461,1784.1)
TDI: J1.d30 J6.d30 | length 45.2
  Top Layer w5: J6.d30@438.38,1834.11 v1(461,1834.11)
  Bottom Layer w5: J1.d30@438.38,1834.1 v1(461,1834.11)
TDO: J1.d31 J6.d31 | length 45.3
  Top Layer w5: J6.d31@438.38,1884.11 460.89,1884.11 v1(461,1884)
  Bottom Layer w5: J1.d31@438.38,1884.1 438.49,1884 v1(461,1884)
TMS: J1.d33 J6.d33 | length 42.1
  Top Layer w5: J6.d33@438.38,1984.11 v1@458.89,1984.11
  Bottom Layer w5: J1.d33@438.38,1984.1 v1(460,1984.11)
TRST_L: J1.d34 J6.d34 | length 42.1
  Top Layer w5: J6.d34@438.38,2034.11 v1@458.89,2034.11
  Bottom Layer w5: J1.d34@438.38,2034.1 v1(460,2034.11)
VADJ: J1.g39 J1.h40 J6.e39 J6.f40 J6.g39 J6.h40 | length 296.4
  Top Layer w5: v1@258.89,2334.11 J6.h40@238.38,2334.11 J6.g39@288.38,2284.11 ; v1@308.89,2284.11 J6.g39@288.38,2284.11 ; J6.e39@388.38,2284.11 J6.f40@338.38,2334.11 J6.g39@288.38,2284.11
  Bottom Layer w5: J1.h40@238.38,2334.1 v1(260,2334.11) ; J1.g39@288.38,2284.1 v1(310,2284.11)
VIO_B_M2C: J6.j39 J6.k40 | length 144.6
  Top Layer w5.3: J6.k40@138.38,2334.11 140.59,2334.11 v1(158.48,2352) ; J6.j39@188.38,2284.11 188.38,2285.54 v1(210.84,2308)
  Bottom Layer w5.3: v1(158.48,2352) 168.13,2342.35 168.13,2319.56 179.69,2308 v1(210.84,2308)
VREF_A_M2C: J1.h1 J6.h1 | length 42.1
  Top Layer w5: J6.h1@238,383 v1@258.51,383
  Bottom Layer w5: J1.h1@238,383 v1@259.62,383
  other v1: 259.62,383
pads on no net: J1.1 J1.2 J1.a1 J1.a2 J1.a3 J1.a4 J1.a5 J1.a6 J1.a7 J1.a8 J1.a9 J1.a10 J1.a11 J1.a12 J1.a13 J1.a14 J1.a15 J1.a16 J1.a17 J1.a18 J1.a19 J1.a20 J1.a21 J1.a22 J1.a23 J1.a24 J1.a25 J1.a26 J1.a27 J1.a28 J1.a29 J1.a30 J1.a31 J1.a32 J1.a33 J1.a34 J1.a35 J1.a36 J1.a37 J1.a38 J1.a39 J1.a40 J1.b1 J1.b2 J1.b3 J1.b4 J1.b5 J1.b6 J1.b7 J1.b8 J1.b9 J1.b10 J1.b11 J1.b12 J1.b13 J1.b14 J1.b15 J1.b16 J1.b17 J1.b18 J1.b19 J1.b20 J1.b21 J1.b22 J1.b23 J1.b24 J1.b25 J1.b26 J1.b27 J1.b28 J1.b29 J1.b30 J1.b31 J1.b32 J1.b33 J1.b34 J1.b35 J1.b36 J1.b37 J1.b38 J1.b39 J1.b40 J1.c2 J1.c3 J1.c6 J1.c7 J1.d1 J1.d4 J1.d5 J1.e1 J1.e2 J1.e3 J1.e4 J1.e5 J1.e6 J1.e7 J1.e8 J1.e9 J1.e10 J1.e11 J1.e12 J1.e13 J1.e14 J1.e15 J1.e16 J1.e17 J1.e18 J1.e19 J1.e20 J1.e21 J1.e22 J1.e23 J1.e24 J1.e25 J1.e26 J1.e27 J1.e28 J1.e29 J1.e30 J1.e31 J1.e32 J1.e33 J1.e34 J1.e35 J1.e36 J1.e37 J1.e38 J1.e39 J1.e40 J1.f1 J1.f2 J1.f3 J1.f4 J1.f5 J1.f6 J1.f7 J1.f8 J1.f9 J1.f10 J1.f11 J1.f12 J1.f13 J1.f14 J1.f15 J1.f16 J1.f17 J1.f18 J1.f19 J1.f20 J1.f21 J1.f22 J1.f23 J1.f24 J1.f25 J1.f26 J1.f27 J1.f28 J1.f29 J1.f30 J1.f31 J1.f32 J1.f33 J1.f34 J1.f35 J1.f36 J1.f37 J1.f38 J1.f39 J1.f40 J1.h2 J1.j1 J1.j2 J1.j3 J1.j4 J1.j5 J1.j6 J1.j7 J1.j8 J1.j9 J1.j10 J1.j11 J1.j12 J1.j13 J1.j14 J1.j15 J1.j16 J1.j17 J1.j18 J1.j19 J1.j20 J1.j21 J1.j22 J1.j23 J1.j24 J1.j25 J1.j26 J1.j27 J1.j28 J1.j29 J1.j30 J1.j31 J1.j32 J1.j33 J1.j34 J1.j35 J1.j36 J1.j37 J1.j38 J1.j39 J1.j40 J1.k1 J1.k2 J1.k3 J1.k4 J1.k5 J1.k6 J1.k7 J1.k8 J1.k9 J1.k10 J1.k11 J1.k12 J1.k13 J1.k14 J1.k15 J1.k16 J1.k17 J1.k18 J1.k19 J1.k20 J1.k21 J1.k22 J1.k23 J1.k24 J1.k25 J1.k26 J1.k27 J1.k28 J1.k29 J1.k30 J1.k31 J1.k32 J1.k33 J1.k34 J1.k35 J1.k36 J1.k37 J1.k38 J1.k39 J1.k40 J2.70 J2.72 J2.L21 J2.L52 J2.L55 J2.U21 J2.U26 J2.U27 J2.U52 J2.U55 J2.U60 J2.U61 J6.1 J6.2 J6.a2 J6.a3 J6.a6 J6.a7 J6.a10 J6.a11 J6.a14 J6.a15 J6.a18 J6.a19 J6.a22 J6.a23 J6.a26 J6.a27 J6.a30 J6.a31 J6.a34 J6.a35 J6.a38 J6.a39 J6.b4 J6.b5 J6.b8 J6.b9 J6.b12 J6.b13 J6.b16 J6.b17 J6.b20 J6.b21 J6.b24 J6.b25 J6.b28 J6.b29 J6.b32 J6.b33 J6.b36 J6.b37 J6.b40 J6.c2 J6.c3 J6.c6 J6.c7 J6.d1 J6.d4 J6.d5 J6.k1

## Polygon pours and split planes (outlines as drawn)
GND on GND (split plane): 2728.9,20.1 20.1,20.1 20.1,2710.9 2728.9,2710.9
P12V0 on GND (split plane): 526.92,2190.31 526.92,2076.8 518.2,2068.08 499.69,2068.08 494.08,2073.69 494.08,2195.31 498.69,2199.92 517.31,2199.92
P3V3 on GND (split plane): 484.3,2240.93 484.3,2212.62 484.61,2211.06 485.5,2209.74 491.23,2204 487.12,2199.88 486.23,2198.56 485.92,2197 485.92,2117.08 448.69,2117.08 437.08,2128.69 437.08,2246.93 445.07,2254.92 470.31,2254.92
GND on GND (Plane2) (split plane): 2728.9,20.1 20.1,20.1 20.1,2710.9 2728.9,2710.9

## Other copper
GND (plane layer: these items are gaps in the copper):
  lines w8: 490,2113 447,2113 433,2127 433,2248.62 443.38,2259 445,2259 472,2259 488.38,2242.62 488.38,2212.62 497,2204 ; 497,2204 490,2197 490,2072 498,2064 519.89,2064 531,2075.11 531,2192 519,2204 497,2204

## Silkscreen, mask and mechanical layers (free items; w line width, h text height)
Top Overlay:
  text "FMC HPC" at 795,1201 h60 r90
  text "SDA" at 838,296 h30
  text "SCL" at 730,262 h30
Bottom Overlay:
  text "FMC HPC to FMC LPC + VHDCI adapter" at 1434,2438 h60 r90
  text "FMC LPC" at 804,1575 h60 r90
Mechanical 1:
  the board outline again, w3.94
Mechanical 8:
  circle w3.94: c284.64,2599.27 r53.15
  circle w3.94: c363.38,288.24 r25.59
  circle w3.94: c284.64,118.95 r53.15
  circle w3.94: c243.3,2429.98 r25.59
  circle w3.94: c284.64,2599.27 r114.17
  circle w3.94: c284.64,118.95 r114.17
  lines w3.94: 203.93,2429.98 243.3,2429.98 ; 243.3,2390.61 243.3,2429.98 ; 243.3,2469.35 243.3,2429.98 ; 245.27,118.95 284.64,118.95 ; 245.27,2599.27 284.64,2599.27 ; 282.67,2429.98 243.3,2429.98 ; 284.64,79.58 284.64,118.95 ; 284.64,158.32 284.64,118.95 ; 284.64,2559.9 284.64,2599.27 ; 284.64,2638.64 284.64,2599.27 ; 324.01,118.95 284.64,118.95 ; 324.01,288.24 363.38,288.24 ; 324.01,2599.27 284.64,2599.27 ; 363.38,248.87 363.38,288.24 ; 363.38,327.61 363.38,288.24 ; 402.75,288.24 363.38,288.24 ; 548.42,382.73 587.79,382.73 ; 587.79,343.36 587.79,382.73 ; 587.79,422.1 587.79,382.73 ; 627.16,382.73 587.79,382.73

## Text inside footprints (layer, text, board x,y; h text height)
J1: Mechanical 14 "1" at 656.2,363.44 h39.37; Mechanical 14 "40" at 578.38,2394.1 h47.24; Mechanical 14 "k" at 146.2,178.44 h39.37; Mechanical 14 "j" at 196.2,178.44 h39.37; Mechanical 14 "g" at 301.2,183.44 h39.37; Mechanical 14 "h" at 248.38,179.1 h39.37; Mechanical 14 "f" at 346.2,173.44 h39.37; Mechanical 14 "e" at 396.3,180 h39.37; Mechanical 14 "d" at 457.57,178.44 h39.37; Mechanical 14 "c" at 503.38,179.1 h39.37; Mechanical 14 "b" at 553.38,179.1 h39.37; Mechanical 14 "a" at 603.38,179.1 h39.37; Bottom Overlay "1" at 656.2,363.44 h39.37; Bottom Overlay "40" at 578.38,2394.1 h47.24; Bottom Overlay "k" at 146.2,178.44 h39.37; Bottom Overlay "j" at 196.2,178.44 h39.37; Bottom Overlay "g" at 301.2,183.44 h39.37; Bottom Overlay "h" at 248.38,179.1 h39.37; Bottom Overlay "f" at 346.2,173.44 h39.37; Bottom Overlay "a" at 603.38,179.1 h39.37; Bottom Overlay "b" at 553.38,179.1 h39.37; Bottom Overlay "c" at 503.38,179.1 h39.37; Bottom Overlay "d" at 457.57,178.44 h39.37; Bottom Overlay "e" at 396.3,180 h39.37
J2: Mechanical 14 "UPPER" at 2058.72,1738.25 h47.24 r270; Mechanical 14 "LOWER" at 2424.47,1740.22 h47.24 r270; Bottom Overlay "UPPER" at 2058.72,1738.25 h47.24 r270; Bottom Overlay "LOWER" at 2424.47,1740.22 h47.24 r270
J6: Top Overlay "a" at 622.67,176.91 h39.37; Top Overlay "k" at 160.62,200.65 h39.37; Top Overlay "40" at 121.25,2346.31 h39.37 r90; Top Overlay "1" at 45.55,358.44 h39.37; Mechanical 14 "a" at 622.67,176.91 h39.37; Mechanical 14 "k" at 130.55,178.44 h39.37; Mechanical 14 "40" at 83.38,2434.11 h39.37 r270; Mechanical 14 "1" at 45.55,358.44 h39.37